# Altium PCB top_LM358.PcbDoc (part 3 of 6)
Units mil, origin at the board's own origin, x right, y up, seen from the top; angles counter-clockwise.
Board outline 10480 x 5830 mil, 2 copper layers (Top Layer, Bottom Layer); 771 components, 701 nets, 1994 pads, 493 vias.
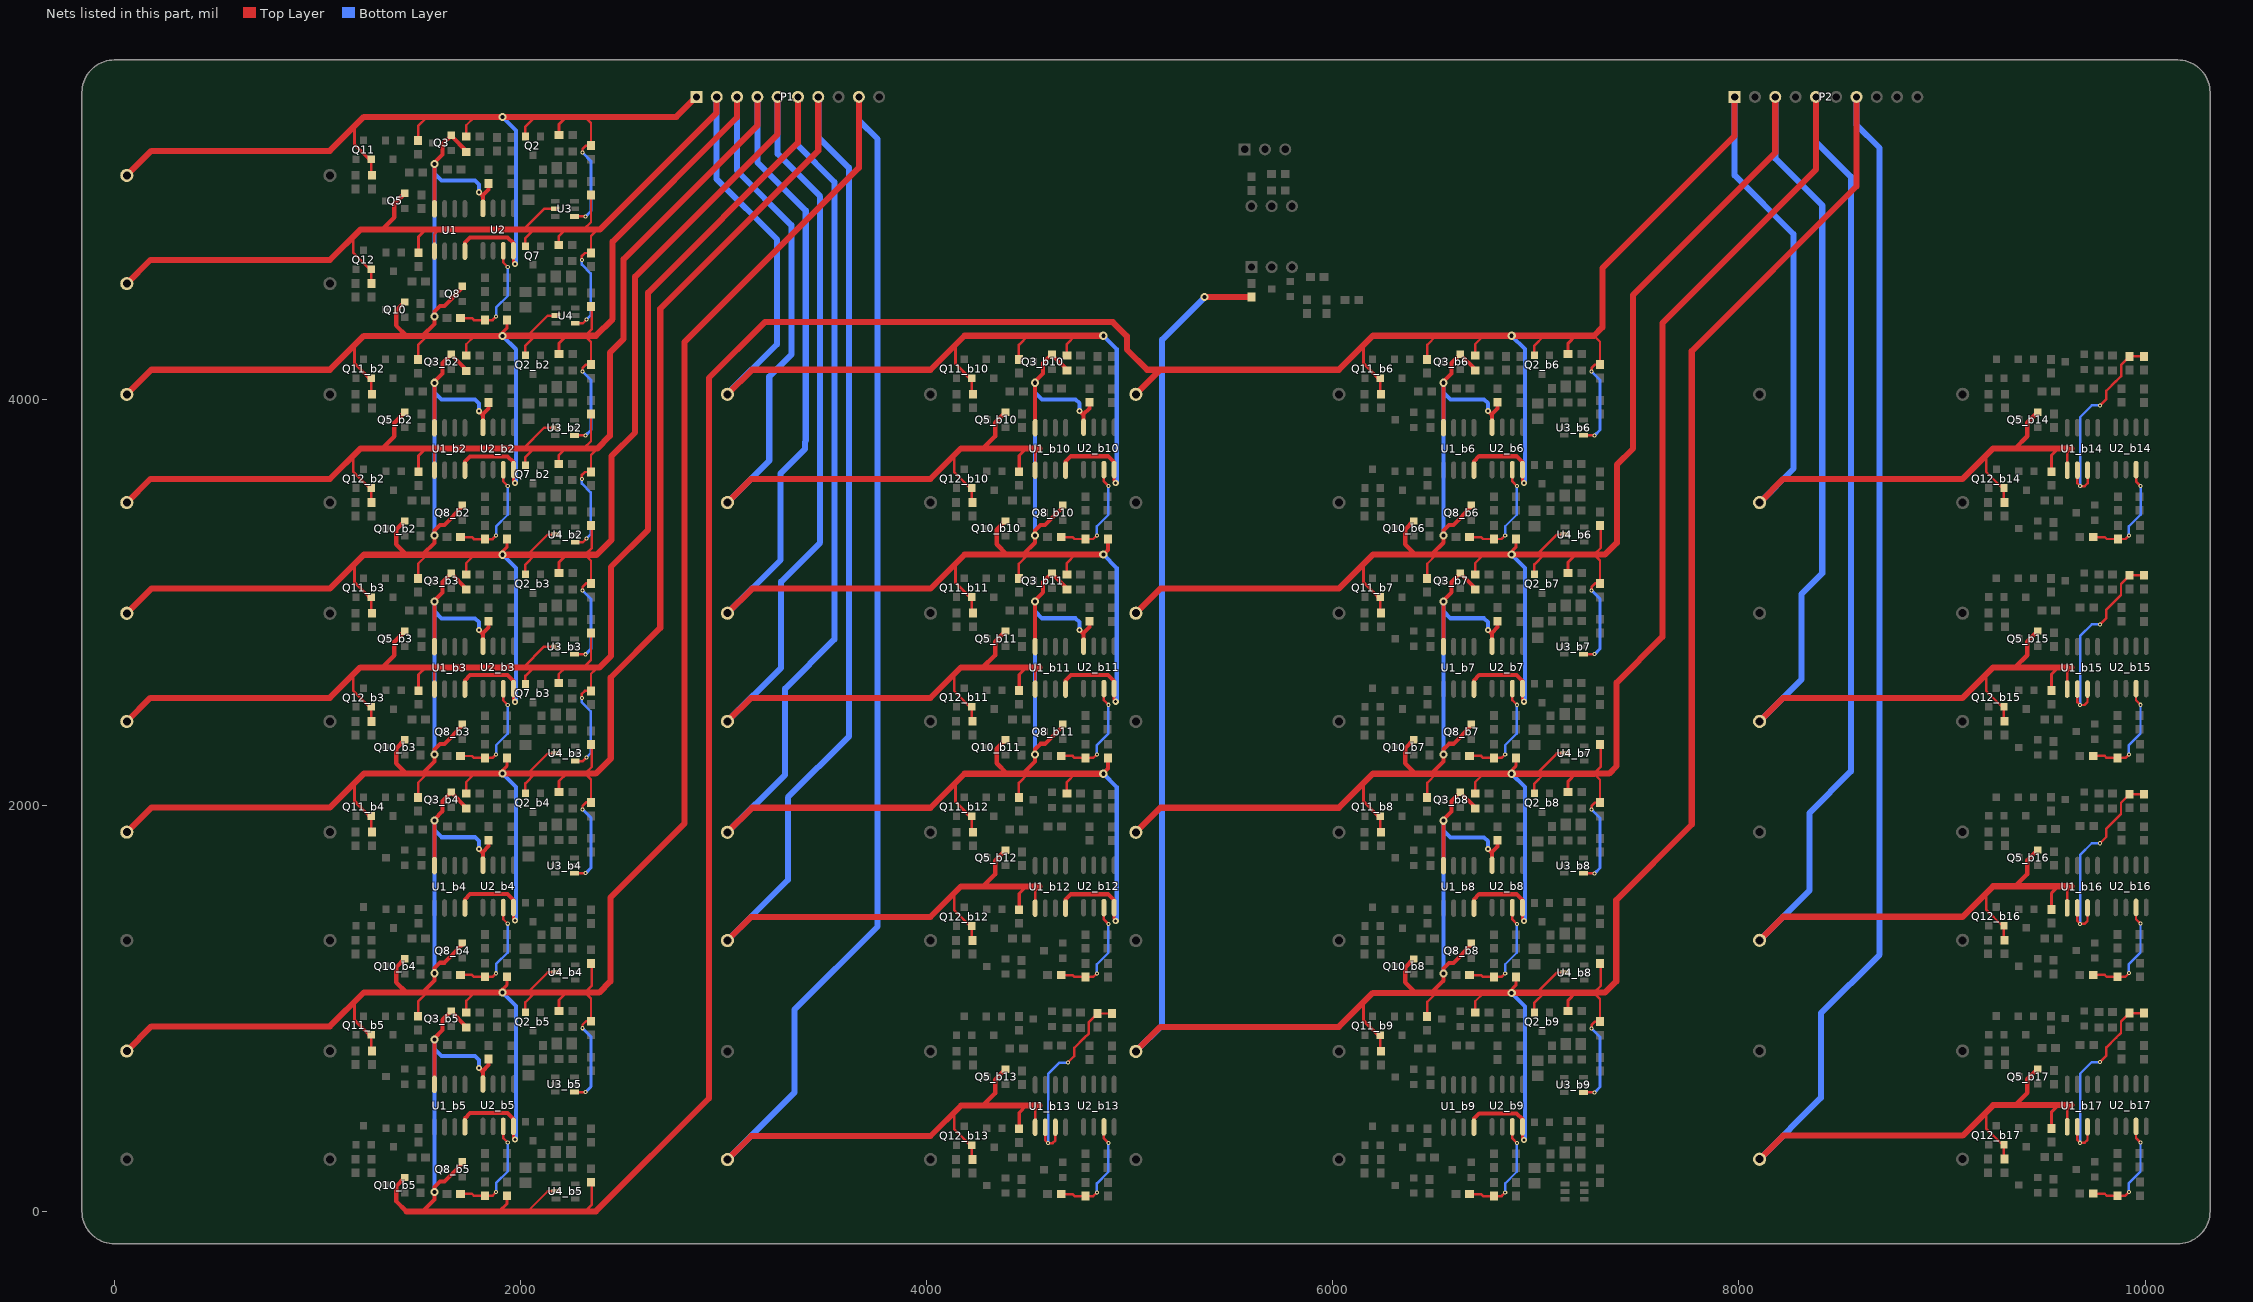
[diagram p3: the nets of this part, all layers, seen from the top]

## Via types
v1: diameter 20, hole 10, Top Layer to Bottom Layer, 402 vias
v2: diameter 40, hole 20, Top Layer to Bottom Layer, 53 vias
v3: diameter 30, hole 15, Top Layer to Bottom Layer, 34 vias
v4: diameter 125.98, hole 125.98, Top Layer to Bottom Layer, 4 vias

## Nets (pads, with @x,y where several pads share a name; then routed paths per layer and width w, separated by ;. In a path a pad name is that pad's centre, name@x,y a point inside that pad or via, vN(x,y) a via of type N, cw(c..) or ccw(c..) an arc to the next point about the centre after c; other vN are vias at no path point) (continued)
G1_VC2_BUF_b13: R45_b13.1 R47_b13.1 U1_b13.6 U1_b13.7 | length 1025.4
  Top Layer w12: U1_b13.6@4583.82,414.09 4583.82,349.58 v1(4597.82,335.58) 4619.82,335.58 4633.82,349.58 U1_b13.7@4633.82,414.09 ; v1(4694.82,732.58) 4726.82,764.58 4726.82,805.01 4774.51,852.7 4774.94,852.7 4798.82,876.58 4798.82,932.05 R47_b13.1@4840.82,974.05 R45_b13.1@4912.82,974.05
  Bottom Layer w12: v1(4597.82,335.58) 4597.82,675.58 4654.82,732.58 v1(4694.82,732.58)
G1_VC2_BUF_b14: R45_b14.1 R47_b14.1 U1_b14.6 U1_b14.7 | length 1025.4
  Top Layer w12: U1_b14.6@9666.82,3650.09 9666.82,3585.58 v1(9680.82,3571.58) 9702.82,3571.58 9716.82,3585.58 U1_b14.7@9716.82,3650.09 ; v1(9777.82,3968.58) 9809.82,4000.58 9809.82,4041.01 9857.51,4088.7 9857.94,4088.7 9881.82,4112.58 9881.82,4168.05 R47_b14.1@9923.82,4210.05 R45_b14.1@9995.82,4210.05
  Bottom Layer w12: v1(9680.82,3571.58) 9680.82,3911.58 9737.82,3968.58 v1(9777.82,3968.58)
G1_VC2_BUF_b15: R45_b15.1 R47_b15.1 U1_b15.6 U1_b15.7 | length 1025.4
  Top Layer w12: U1_b15.6@9666.57,2572.09 9666.57,2507.58 v1(9680.57,2493.58) 9702.57,2493.58 9716.57,2507.58 U1_b15.7@9716.57,2572.09 ; v1(9777.57,2890.58) 9809.57,2922.58 9809.57,2963.01 9857.26,3010.7 9857.69,3010.7 9881.57,3034.58 9881.57,3090.05 R47_b15.1@9923.57,3132.05 R45_b15.1@9995.57,3132.05
  Bottom Layer w12: v1(9680.57,2493.58) 9680.57,2833.58 9737.57,2890.58 v1(9777.57,2890.58)
G1_VC2_BUF_b16: R45_b16.1 R47_b16.1 U1_b16.6 U1_b16.7 | length 1025.4
  Top Layer w12: U1_b16.6@9666.57,1494.09 9666.57,1429.58 v1(9680.57,1415.58) 9702.57,1415.58 9716.57,1429.58 U1_b16.7@9716.57,1494.09 ; v1(9777.57,1812.58) 9809.57,1844.58 9809.57,1885.01 9857.26,1932.7 9857.69,1932.7 9881.57,1956.58 9881.57,2012.05 R47_b16.1@9923.57,2054.05 R45_b16.1@9995.57,2054.05
  Bottom Layer w12: v1(9680.57,1415.58) 9680.57,1755.58 9737.57,1812.58 v1(9777.57,1812.58)
G1_VC2_BUF_b17: R45_b17.1 R47_b17.1 U1_b17.6 U1_b17.7 | length 1025.4
  Top Layer w12: U1_b17.6@9666.57,416.09 9666.57,351.58 v1(9680.57,337.58) 9702.57,337.58 9716.57,351.58 U1_b17.7@9716.57,416.09 ; v1(9777.57,734.58) 9809.57,766.58 9809.57,807.01 9857.26,854.7 9857.69,854.7 9881.57,878.58 9881.57,934.05 R47_b17.1@9923.57,976.05 R45_b17.1@9995.57,976.05
  Bottom Layer w12: v1(9680.57,337.58) 9680.57,677.58 9737.57,734.58 v1(9777.57,734.58)
G1_VC2_DISCH: R22.1 R50.2 U2.7 | length 543.2
  Top Layer w12: R22.1@1704.29,4398.58 1760.82,4398.58 1770.29,4389.12 R50.2@1824.82,4389.12 1862.36,4389.12 v1(1879.82,4406.58) ; U2.7@1914.82,4730.37 1914.82,4672.58 v1(1936.82,4650.58)
  Bottom Layer w12: v1(1879.82,4406.58) 1879.82,4451.58 1936.82,4508.58 v1(1936.82,4650.58)
G1_VC2_DISCH_b2: R22_b2.1 R50_b2.2 U2_b2.7 | length 543.2
  Top Layer w12: R22_b2.1@1704.29,3320.26 1760.82,3320.26 1770.29,3310.8 R50_b2.2@1824.82,3310.8 1862.36,3310.8 v1(1879.82,3328.26) ; U2_b2.7@1914.82,3652.05 1914.82,3594.26 v1(1936.82,3572.26)
  Bottom Layer w12: v1(1879.82,3328.26) 1879.82,3373.26 1936.82,3430.26 v1(1936.82,3572.26)
G1_VC2_DISCH_b3: R22_b3.1 R50_b3.2 U2_b3.7 | length 543.2
  Top Layer w12: R22_b3.1@1704.29,2242.26 1760.82,2242.26 1770.29,2232.8 R50_b3.2@1824.82,2232.8 1862.36,2232.8 v1(1879.82,2250.26) ; U2_b3.7@1914.82,2574.05 1914.82,2516.26 v1(1936.82,2494.26)
  Bottom Layer w12: v1(1879.82,2250.26) 1879.82,2295.26 1936.82,2352.26 v1(1936.82,2494.26)
G1_VC2_DISCH_b4: R22_b4.1 R50_b4.2 U2_b4.7 | length 543.2
  Top Layer w12: R22_b4.1@1704.29,1164.26 1760.82,1164.26 1770.29,1154.8 R50_b4.2@1824.82,1154.8 1862.36,1154.8 v1(1879.82,1172.26) ; U2_b4.7@1914.82,1496.05 1914.82,1438.26 v1(1936.82,1416.26)
  Bottom Layer w12: v1(1879.82,1172.26) 1879.82,1217.26 1936.82,1274.26 v1(1936.82,1416.26)
G1_VC2_DISCH_b5: R22_b5.1 R50_b5.2 U2_b5.7 | length 543.2
  Top Layer w12: R22_b5.1@1704.29,86.26 1760.82,86.26 1770.29,76.8 R50_b5.2@1824.82,76.8 1862.36,76.8 v1(1879.82,94.26) ; U2_b5.7@1914.82,418.05 1914.82,360.26 v1(1936.82,338.26)
  Bottom Layer w12: v1(1879.82,94.26) 1879.82,139.26 1936.82,196.26 v1(1936.82,338.26)
G1_VC2_DISCH_b6: R22_b6.1 R50_b6.2 U2_b6.7 | length 543.2
  Top Layer w12: R22_b6.1@6673.54,3320.58 6730.08,3320.58 6739.54,3311.12 R50_b6.2@6794.08,3311.12 6831.61,3311.12 v1(6849.08,3328.58) ; U2_b6.7@6884.08,3652.37 6884.08,3594.58 v1(6906.08,3572.58)
  Bottom Layer w12: v1(6849.08,3328.58) 6849.08,3373.58 6906.08,3430.58 v1(6906.08,3572.58)
G1_VC2_DISCH_b7: R22_b7.1 R50_b7.2 U2_b7.7 | length 543.2
  Top Layer w12: R22_b7.1@6673.54,2242.58 6730.08,2242.58 6739.54,2233.12 R50_b7.2@6794.08,2233.12 6831.61,2233.12 v1(6849.08,2250.58) ; U2_b7.7@6884.08,2574.37 6884.08,2516.58 v1(6906.08,2494.58)
  Bottom Layer w12: v1(6849.08,2250.58) 6849.08,2295.58 6906.08,2352.58 v1(6906.08,2494.58)
G1_VC2_DISCH_b8: R22_b8.1 R50_b8.2 U2_b8.7 | length 543.2
  Top Layer w12: R22_b8.1@6673.54,1163.58 6730.08,1163.58 6739.54,1154.12 R50_b8.2@6794.08,1154.12 6831.61,1154.12 v1(6849.08,1171.58) ; U2_b8.7@6884.08,1495.37 6884.08,1437.58 v1(6906.08,1415.58)
  Bottom Layer w12: v1(6849.08,1171.58) 6849.08,1216.58 6906.08,1273.58 v1(6906.08,1415.58)
G1_VC2_DISCH_b9: R22_b9.1 R50_b9.2 U2_b9.7 | length 543.2
  Top Layer w12: R22_b9.1@6673.54,84.58 6730.08,84.58 6739.54,75.12 R50_b9.2@6794.08,75.12 6831.61,75.12 v1(6849.08,92.58) ; U2_b9.7@6884.08,416.37 6884.08,358.58 v1(6906.08,336.58)
  Bottom Layer w12: v1(6849.08,92.58) 6849.08,137.58 6906.08,194.58 v1(6906.08,336.58)
G1_VC2_DISCH_b10: R22_b10.1 R50_b10.2 U2_b10.7 | length 543.2
  Top Layer w12: R22_b10.1@4662.29,3320.58 4718.82,3320.58 4728.29,3311.12 R50_b10.2@4782.82,3311.12 4820.36,3311.12 v1(4837.82,3328.58) ; U2_b10.7@4872.82,3652.37 4872.82,3594.58 v1(4894.82,3572.58)
  Bottom Layer w12: v1(4837.82,3328.58) 4837.82,3373.58 4894.82,3430.58 v1(4894.82,3572.58)
G1_VC2_DISCH_b11: R22_b11.1 R50_b11.2 U2_b11.7 | length 543.2
  Top Layer w12: R22_b11.1@4662.29,2242.58 4718.82,2242.58 4728.29,2233.12 R50_b11.2@4782.82,2233.12 4820.36,2233.12 v1(4837.82,2250.58) ; U2_b11.7@4872.82,2574.37 4872.82,2516.58 v1(4894.82,2494.58)
  Bottom Layer w12: v1(4837.82,2250.58) 4837.82,2295.58 4894.82,2352.58 v1(4894.82,2494.58)
G1_VC2_DISCH_b12: R22_b12.1 R50_b12.2 U2_b12.7 | length 543.2
  Top Layer w12: R22_b12.1@4662.29,1163.58 4718.82,1163.58 4728.29,1154.12 R50_b12.2@4782.82,1154.12 4820.36,1154.12 v1(4837.82,1171.58) ; U2_b12.7@4872.82,1495.37 4872.82,1437.58 v1(4894.82,1415.58)
  Bottom Layer w12: v1(4837.82,1171.58) 4837.82,1216.58 4894.82,1273.58 v1(4894.82,1415.58)
G1_VC2_DISCH_b13: R22_b13.1 R50_b13.2 U2_b13.7 | length 543.2
  Top Layer w12: R22_b13.1@4662.29,84.58 4718.82,84.58 4728.29,75.12 R50_b13.2@4782.82,75.12 4820.36,75.12 v1(4837.82,92.58) ; U2_b13.7@4872.82,416.37 4872.82,358.58 v1(4894.82,336.58)
  Bottom Layer w12: v1(4837.82,92.58) 4837.82,137.58 4894.82,194.58 v1(4894.82,336.58)
G1_VC2_DISCH_b14: R22_b14.1 R50_b14.2 U2_b14.7 | length 543.2
  Top Layer w12: R22_b14.1@9745.29,3320.58 9801.82,3320.58 9811.29,3311.12 R50_b14.2@9865.82,3311.12 9903.36,3311.12 v1(9920.82,3328.58) ; U2_b14.7@9955.82,3652.37 9955.82,3594.58 v1(9977.82,3572.58)
  Bottom Layer w12: v1(9920.82,3328.58) 9920.82,3373.58 9977.82,3430.58 v1(9977.82,3572.58)
G1_VC2_DISCH_b15: R22_b15.1 R50_b15.2 U2_b15.7 | length 543.2
  Top Layer w12: R22_b15.1@9745.04,2242.58 9801.57,2242.58 9811.04,2233.12 R50_b15.2@9865.57,2233.12 9903.11,2233.12 v1(9920.57,2250.58) ; U2_b15.7@9955.57,2574.37 9955.57,2516.58 v1(9977.57,2494.58)
  Bottom Layer w12: v1(9920.57,2250.58) 9920.57,2295.58 9977.57,2352.58 v1(9977.57,2494.58)
G1_VC2_DISCH_b16: R22_b16.1 R50_b16.2 U2_b16.7 | length 543.2
  Top Layer w12: R22_b16.1@9745.04,1164.58 9801.57,1164.58 9811.04,1155.12 R50_b16.2@9865.57,1155.12 9903.11,1155.12 v1(9920.57,1172.58) ; U2_b16.7@9955.57,1496.37 9955.57,1438.58 v1(9977.57,1416.58)
  Bottom Layer w12: v1(9920.57,1172.58) 9920.57,1217.58 9977.57,1274.58 v1(9977.57,1416.58)
G1_VC2_DISCH_b17: R22_b17.1 R50_b17.2 U2_b17.7 | length 543.2
  Top Layer w12: R22_b17.1@9745.04,86.58 9801.57,86.58 9811.04,77.12 R50_b17.2@9865.57,77.12 9903.11,77.12 v1(9920.57,94.58) ; U2_b17.7@9955.57,418.37 9955.57,360.58 v1(9977.57,338.58)
  Bottom Layer w12: v1(9920.57,94.58) 9920.57,139.58 9977.57,196.58 v1(9977.57,338.58)
IN_A0: P1.1 Q2.2 Q11.2 R1.2 R6.2 R7.2 R8.2 R9.2 R40.1 U1.8 U2.8 U3.4 | length 5496
  Top Layer w12: Q11.2@1264.23,5181.32 1264.23,5106.64 R40.1@1268.82,5102.05 ; R6.2@1495.69,5272.79 1495.69,5345.11 1540.44,5389.86 ; R9.2@1732.36,5292.58 1732.36,5348.39 1773.82,5389.86 ; Q2.2@2023.6,5293.26 2023.6,5341.63 2071.82,5389.86 ; U3.4@2265.24,4899.6 v1(2320.4,4899.6) ; v1(2305,5214) 2305,5231 2322.32,5248.32 R8.2@2346.69,5248.32 2346.69,5360.24 2317.08,5389.86
  Top Layer w15: 1182.82,5339.11 1182.82,5253.14 Q11.2@1254.64,5181.32 ; U2.8@1964.82,4730.37 1964.82,4673.58 v3(1972.82,4665.58) ; R7.2@2189.54,5300 2189.54,5353.39 2226,5389.86
  Top Layer w20: Q11.2@1254.64,5181.32 Q11.2@1264.23,5181.32 ; U1.8@1725.82,4728.09 1725.82,4770.58 1751.82,4796.58 1935.82,4796.58 1964.82,4767.58 U2.8@1964.82,4730.37
  Top Layer w30: R1.2@60.82,5101.58 181.85,5222.61 1060.82,5222.61 1228.08,5389.86 1540.44,5389.86 1773.82,5389.86 v2(1911.69,5389.86) 2071.82,5389.86 2226,5389.86 2317.08,5389.86 2767.36,5389.86 P1.1@2865.82,5488.32
  Bottom Layer w15: 1977.82,5228.18 1977.82,5230 ; v1(2305,5214) 2347,5172 2347,4926.2 v1(2320.4,4899.6)
  Bottom Layer w20: v2(1911.69,5389.86) 1977.82,5323.72 1977.82,5230 ; v3(1972.82,4665.58) 1977.82,4670.58 1977.82,5228.18
IN_A1: P1.3 Q2_b2.2 Q3.2 Q5_b10.2 Q8.2 Q10.2 Q11_b2.2 Q12_b10.2 R1_b2.2 R6_b2.2 R7_b2.2 R8_b2.2 R9_b2.2 R12.1 R14_b10.2 R19_b10.2 R24.1 R40_b2.1 R42_b10.1 R44.2 R48.2 U1.4 U1_b2.8 U1_b10.5 U2.4 U2_b2.8 U3_b2.4 U4.2 | length 13736.5
  Top Layer w12: Q11_b2.2@1264.23,4103 1264.23,4028.32 R40_b2.1@1268.82,4023.72 ; R6_b2.2@1495.69,4194.46 1495.69,4266.79 1540.44,4311.54 ; R9_b2.2@1732.36,4214.26 1732.36,4270.07 1773.82,4311.54 ; Q2_b2.2@2023.6,4214.94 2023.6,4263.31 2071.82,4311.54 ; 2035.54,4312.54 2134,4411 U4.2@2174.76,4411 ; U3_b2.4@2265.24,3821.28 v1(2320.4,3821.28) ; v1(2305,4135.68) 2305,4152.68 2322.32,4170 R8_b2.2@2346.69,4170 2346.69,4281.92 2317.08,4311.54 ; 2317.41,4312.2 2351,4345.78 2351,4451.08 R24.1@2346.69,4455.39 ; 4134.82,3721.36 4134.82,3641.58 4214.08,3562.32 Q12_b10.2@4222.23,3562.32 4222.23,3493.64 R42_b10.1@4224.82,3491.05 ; U1_b10.5@4533.82,3650.09 4533.82,3734.86 4555.82,3756.86
  Top Layer w15: 1182.82,4260.79 1182.82,4174.82 Q11_b2.2@1254.64,4103 ; v2@1898,4311.79 1898,4315 1933.82,4350.82 R44.2@1933.82,4389.12 ; U2_b2.8@1964.82,3652.05 1964.82,3595.26 v3(1972.82,3587.26) ; R7_b2.2@2189.54,4221.68 2189.54,4275.07 2226,4311.54 ; R19_b10.2@4455.69,3642.32 4455.69,3721.86 4490.69,3756.86 4494.69,3756.86
  Top Layer w20: Q11_b2.2@1254.64,4103 Q11_b2.2@1264.23,4103 ; 1519.69,4314.39 1575.82,4370.53 v2(1575.82,4406.58) 1575.82,4431.58 1602.82,4458.58 1624.27,4458.58 1712.08,4546.4 Q8.2@1712.08,4555.98 ; U1.4@1575.82,4937.07 v2(1575.82,5158.58) 1575.82,5164.58 1615.82,5204.58 1615.82,5255.72 Q3.2@1659.08,5298.98 1659.08,5296.23 1732.36,5222.96 R12.1@1732.36,5217.58 ; U1_b2.8@1725.82,3649.77 1725.82,3692.26 1751.82,3718.26 1935.82,3718.26 1964.82,3689.26 U2_b2.8@1964.82,3652.05 ; v3(1794.82,5018.58) 1808.82,5004.58 1814.82,5004.58 ; U2.4@1814.82,4939.34 1814.82,5004.58 ; R48.2@1842.82,5062.12 1842.82,5032.58 1814.82,5004.58
  Top Layer w22: Q10.2@1429.95,4478.26 1386.69,4435 1386.69,4362.86 1437.01,4312.54 ; 4276.69,3756.86 4336.69,3816.86 4336.69,3884 Q5_b10.2@4387.95,3935.26
  Top Layer w30: R1_b2.2@60.82,4023.26 181.85,4144.28 1060.82,4144.28 1228.08,4311.54 1540.44,4311.54 1773.82,4311.54 v2(1911.69,4311.54) ; v2@1898,4311.79 2370.82,4311.79 2452.82,4393.79 2452.82,4774.9 3065.82,5387.9 P1.3@3065.82,5488.32 ; R14_b10.2@3018.82,3490.58 3135.1,3606.86 4018.82,3606.86 4168.82,3756.86 4276.69,3756.86 4490.69,3756.86 ; 4494.69,3756.86 4555.82,3756.86
  Bottom Layer w15: 1977.82,4149.86 1977.82,4151.68 ; v1(2305,4135.68) 2347,4093.68 2347,3847.88 v1(2320.4,3821.28)
  Bottom Layer w20: v2(1575.82,4406.58) 1575.82,5111.58 ; v2(1575.82,5158.58) 1575.82,5111.58 ; v3(1794.82,5018.58) 1794.82,5057.58 1775.82,5076.58 1610.82,5076.58 1575.82,5111.58 ; v2(1911.69,4311.54) 1977.82,4245.4 1977.82,4151.68 ; v3(1972.82,3587.26) 1977.82,3592.26 1977.82,4149.86
  Bottom Layer w30: R14_b10.2@3018.82,3490.58 3224.82,3696.58 3224.82,4110.59 3333.56,4219.32 3333.56,4857.06 3065.82,5124.79 P1.3@3065.82,5488.32
IN_A2: P1.5 Q2_b3.2 Q3_b2.2 Q5_b11.2 Q8_b2.2 Q10_b2.2 Q11_b3.2 Q12_b11.2 R1_b3.2 R6_b3.2 R7_b3.2 R8_b3.2 R9_b3.2 R12_b2.1 R14_b11.2 R19_b11.2 R24_b2.1 R40_b3.1 R42_b11.1 R44_b2.2 R48_b2.2 U1_b2.4 U1_b3.8 U1_b11.5 U2_b2.4 U2_b3.8 U3_b3.4 U4_b2.2 | length 16877.8
  Top Layer w12: Q11_b3.2@1264.23,3025 1264.23,2950.32 R40_b3.1@1268.82,2945.72 ; R6_b3.2@1495.69,3116.46 1495.69,3188.79 1540.37,3233.46 1540.44,3233.54 ; R9_b3.2@1732.36,3136.26 1732.36,3192.07 1773.75,3233.46 1773.82,3233.54 ; Q2_b3.2@2023.6,3136.94 2023.6,3185.31 2071.75,3233.46 2071.82,3233.54 ; 2035.54,3234.21 2134,3332.68 U4_b2.2@2174.76,3332.68 ; U3_b3.4@2265.24,2743.28 v1(2320.4,2743.28) ; v1(2305,3057.68) 2305,3074.68 2322.32,3092 R8_b3.2@2346.69,3092 2346.69,3203.92 2317.15,3233.46 2317.08,3233.54 ; 2317.41,3233.87 2351,3267.46 2351,3372.76 R24_b2.1@2346.69,3377.07 ; 4134.82,2643.36 4134.82,2563.58 4214.08,2484.32 Q12_b11.2@4222.23,2484.32 4222.23,2415.64 R42_b11.1@4224.82,2413.05 ; U1_b11.5@4533.82,2572.09 4533.82,2656.86 4555.82,2678.86
  Top Layer w15: 1182.82,3182.79 1182.82,3096.82 Q11_b3.2@1254.64,3025 ; v2@1898,3233.46 1898,3233.54 1898,3236.68 1933.82,3272.5 R44_b2.2@1933.82,3310.8 ; U2_b3.8@1964.82,2574.05 1964.82,2517.26 v3(1972.82,2509.26) ; R7_b3.2@2189.54,3143.68 2189.54,3197.07 2225.93,3233.46 2226,3233.54 ; R19_b11.2@4455.69,2564.32 4455.69,2643.86 4490.69,2678.86 4494.69,2678.86
  Top Layer w20: Q11_b3.2@1254.64,3025 Q11_b3.2@1264.23,3025 ; 1519.69,3236.07 1575.82,3292.2 v2(1575.82,3328.26) 1575.82,3353.26 1602.82,3380.26 1624.27,3380.26 1712.08,3468.08 Q8_b2.2@1712.08,3477.66 ; U1_b2.4@1575.82,3858.75 v2(1575.82,4080.26) 1575.82,4086.26 1615.82,4126.26 1615.82,4177.4 Q3_b2.2@1659.08,4220.66 1659.08,4217.91 1732.36,4144.64 R12_b2.1@1732.36,4139.26 ; U1_b3.8@1725.82,2571.77 1725.82,2614.26 1751.82,2640.26 1935.82,2640.26 1964.82,2611.26 U2_b3.8@1964.82,2574.05 ; v3(1794.82,3940.26) 1808.82,3926.26 1814.82,3926.26 ; U2_b2.4@1814.82,3861.02 1814.82,3926.26 ; R48_b2.2@1842.82,3983.8 1842.82,3954.26 1814.82,3926.26
  Top Layer w22: Q10_b2.2@1429.95,3399.94 1386.69,3356.68 1386.69,3284.54 1437.01,3234.21 ; 4276.69,2678.86 4336.69,2738.86 4336.69,2806 Q5_b11.2@4387.95,2857.26
  Top Layer w30: R1_b3.2@60.82,2945.26 181.85,3066.28 1060.82,3066.28 1228.08,3233.54 1540.44,3233.54 1773.82,3233.54 1898,3233.54 v2(1911.69,3233.54) 2071.82,3233.54 2226,3233.54 2317.08,3233.54 ; 1437.76,3233.46 1540.37,3233.46 1773.75,3233.46 1898,3233.46 2071.75,3233.46 2225.93,3233.46 2317.15,3233.46 2374.5,3233.46 2446.82,3305.79 2446.82,3718.32 2564,3835.5 2564,4603.23 3265.82,5305.06 P1.5@3265.82,5488.32 ; R14_b11.2@3018.82,2412.58 3135.1,2528.86 4018.82,2528.86 4168.82,2678.86 4276.69,2678.86 4490.69,2678.86 ; 4494.69,2678.86 4555.82,2678.86
  Bottom Layer w15: 1977.82,3071.86 1977.82,3073.68 ; v1(2305,3057.68) 2347,3015.68 2347,2769.88 v1(2320.4,2743.28)
  Bottom Layer w20: v2(1575.82,3328.26) 1575.82,4033.26 ; v2(1575.82,4080.26) 1575.82,4033.26 ; v3(1794.82,3940.26) 1794.82,3979.26 1775.82,3998.26 1610.82,3998.26 1575.82,4033.26 ; v2(1911.69,3233.54) 1977.82,3167.4 1977.82,3073.68 ; v3(1972.82,2509.26) 1977.82,2514.26 1977.82,3071.86
  Bottom Layer w30: R14_b11.2@3018.82,2412.58 3282.82,2676.58 3282.82,3101.32 3474.98,3293.48 3474.98,4998.48 3265.82,5207.64 P1.5@3265.82,5488.32
IN_A3: P1.7 Q2_b4.2 Q3_b3.2 Q5_b12.2 Q8_b3.2 Q10_b3.2 Q11_b4.2 Q12_b12.2 R1_b4.2 R6_b4.2 R7_b4.2 R8_b4.2 R9_b4.2 R12_b3.1 R14_b12.2 R19_b12.2 R24_b3.1 R40_b4.1 R42_b12.1 R44_b3.2 R48_b3.2 U1_b3.4 U1_b4.8 U1_b12.5 U2_b3.4 U2_b4.8 U3_b4.4 U4_b3.2 | length 19148.9
  Top Layer w12: Q11_b4.2@1264.23,1947 1264.23,1872.32 R40_b4.1@1268.82,1867.72 ; R6_b4.2@1495.69,2038.46 1495.69,2110.79 1540.37,2155.46 1540.44,2155.54 ; R9_b4.2@1732.36,2058.26 1732.36,2114.07 1773.75,2155.46 1773.82,2155.54 ; Q2_b4.2@2023.6,2058.94 2023.6,2107.31 2071.75,2155.46 2071.82,2155.54 ; 2035.54,2156.21 2134,2254.68 U4_b3.2@2174.76,2254.68 ; U3_b4.4@2265.24,1665.28 v1(2320.4,1665.28) ; v1(2305,1979.68) 2305,1996.68 2322.32,2014 R8_b4.2@2346.69,2014 2346.69,2125.92 2317.15,2155.46 2317.08,2155.54 ; 2317.41,2155.87 2351,2189.46 2351,2294.76 R24_b3.1@2346.69,2299.07 ; 4134.82,1564.36 4134.82,1484.58 4214.08,1405.32 Q12_b12.2@4222.23,1405.32 4222.23,1336.64 R42_b12.1@4224.82,1334.05 ; U1_b12.5@4533.82,1493.09 4533.82,1577.86 4555.82,1599.86
  Top Layer w15: 1182.82,2104.79 1182.82,2018.82 Q11_b4.2@1254.64,1947 ; v2@1898,2155.46 1898,2155.54 1898,2158.68 1933.82,2194.5 R44_b3.2@1933.82,2232.8 ; U2_b4.8@1964.82,1496.05 1964.82,1439.26 v3(1972.82,1431.26) ; R7_b4.2@2189.54,2065.68 2189.54,2119.07 2225.93,2155.46 2226,2155.54 ; R19_b12.2@4455.69,1485.32 4455.69,1564.86 4490.69,1599.86 4494.69,1599.86
  Top Layer w20: Q11_b4.2@1254.64,1947 Q11_b4.2@1264.23,1947 ; 1519.69,2158.07 1575.82,2214.2 v2(1575.82,2250.26) 1575.82,2275.26 1602.82,2302.26 1624.27,2302.26 1712.08,2390.08 Q8_b3.2@1712.08,2399.66 ; U1_b3.4@1575.82,2780.75 v2(1575.82,3002.26) 1575.82,3008.26 1615.82,3048.26 1615.82,3099.4 Q3_b3.2@1659.08,3142.66 1659.08,3139.91 1732.36,3066.64 R12_b3.1@1732.36,3061.26 ; U1_b4.8@1725.82,1493.77 1725.82,1536.26 1751.82,1562.26 1935.82,1562.26 1964.82,1533.26 U2_b4.8@1964.82,1496.05 ; v3(1794.82,2862.26) 1808.82,2848.26 1814.82,2848.26 ; U2_b3.4@1814.82,2783.02 1814.82,2848.26 ; R48_b3.2@1842.82,2905.8 1842.82,2876.26 1814.82,2848.26
  Top Layer w22: Q10_b3.2@1429.95,2321.94 1386.69,2278.68 1386.69,2206.54 1437.01,2156.21 ; 4276.69,1599.86 4336.69,1659.86 4336.69,1727 Q5_b12.2@4387.95,1778.26
  Top Layer w30: R1_b4.2@60.82,1867.26 181.85,1988.28 1060.82,1988.28 1228.08,2155.54 1540.44,2155.54 1773.82,2155.54 1898,2155.54 v2(1911.69,2155.54) 2071.82,2155.54 2226,2155.54 2317.08,2155.54 ; 1437.76,2155.46 1540.37,2155.46 1773.75,2155.46 1898,2155.46 2071.75,2155.46 2225.93,2155.46 2317.15,2155.46 2369.68,2155.46 2444,2229.78 2444,2629 2688,2873 2688,4445 3466,5223 P1.7@3466,5488 ; R14_b12.2@3018.82,1333.58 3135.1,1449.86 4018.82,1449.86 4168.82,1599.86 4276.69,1599.86 4490.69,1599.86 ; 4494.69,1599.86 4555.82,1599.86
  Bottom Layer w15: 1977.82,1993.86 1977.82,1995.68 ; v1(2305,1979.68) 2347,1937.68 2347,1691.88 v1(2320.4,1665.28)
  Bottom Layer w20: v2(1575.82,2250.26) 1575.82,2955.26 ; v2(1575.82,3002.26) 1575.82,2955.26 ; v3(1794.82,2862.26) 1794.82,2901.26 1775.82,2920.26 1610.82,2920.26 1575.82,2955.26 ; v2(1911.69,2155.54) 1977.82,2089.4 1977.82,1995.68 ; v3(1972.82,1431.26) 1977.82,1436.26 1977.82,1993.86